# Altium PCB LimePSB-RPCM_1v4.PcbDoc (part 1 of 12) (continued)
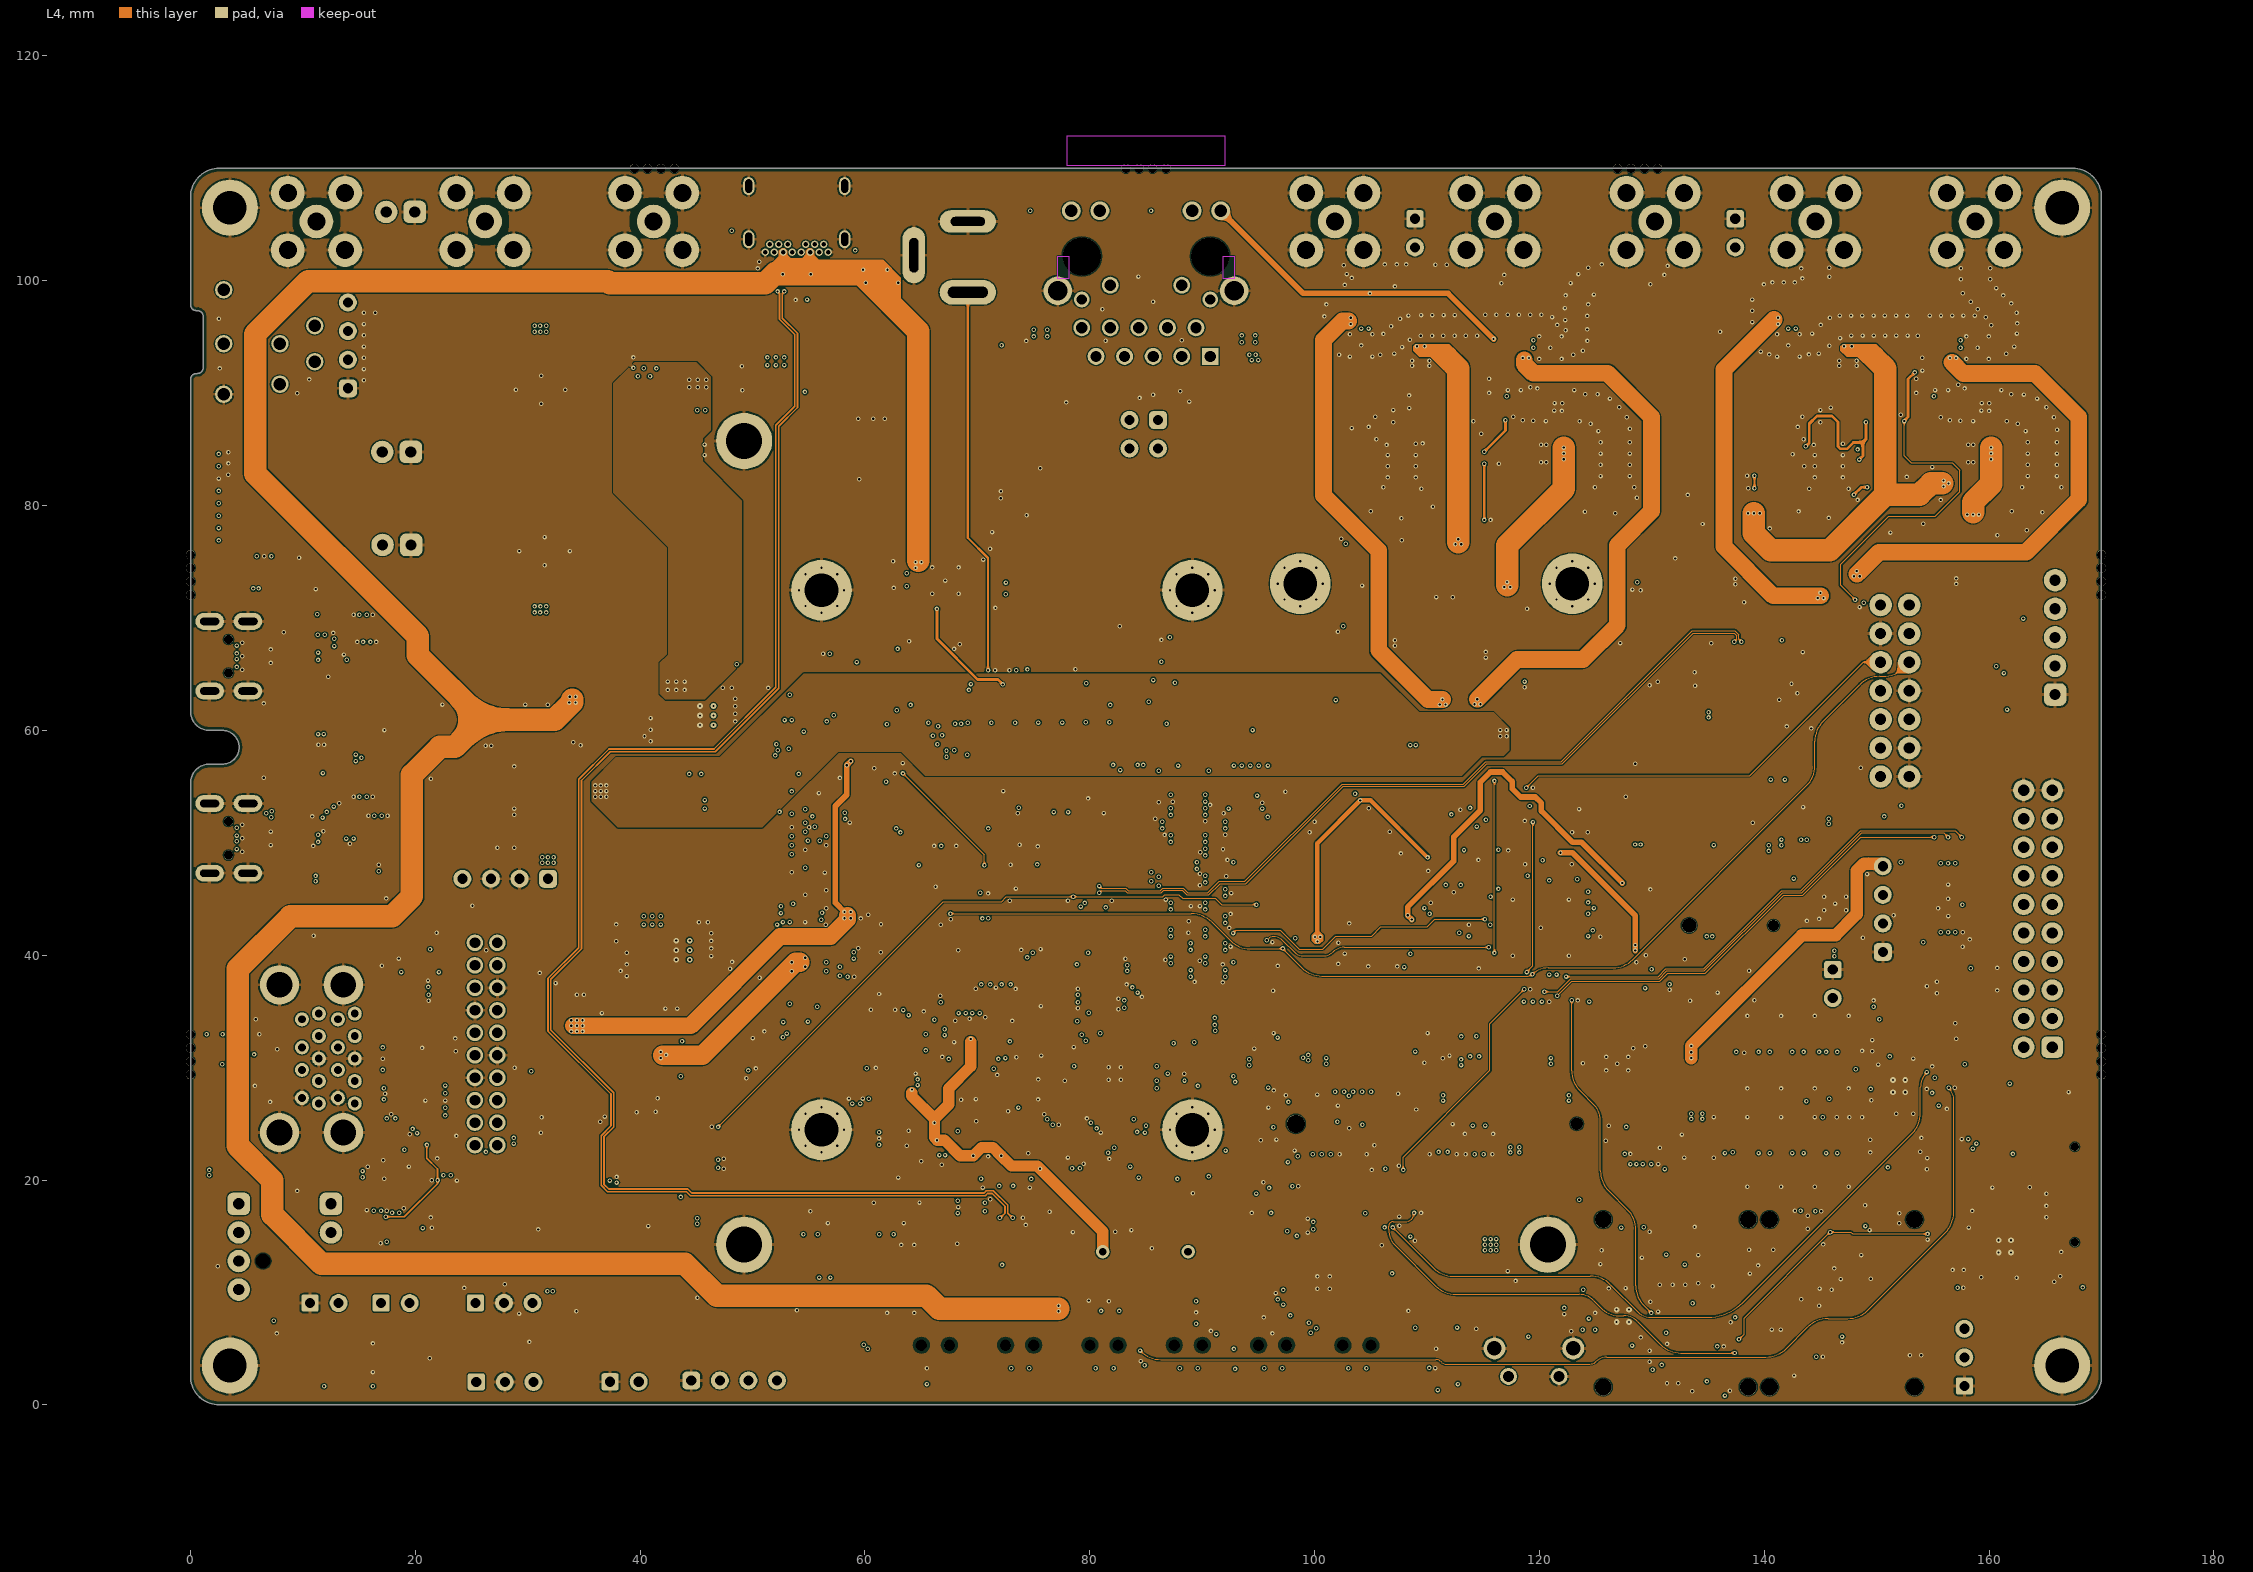
[diagram p4: L4]
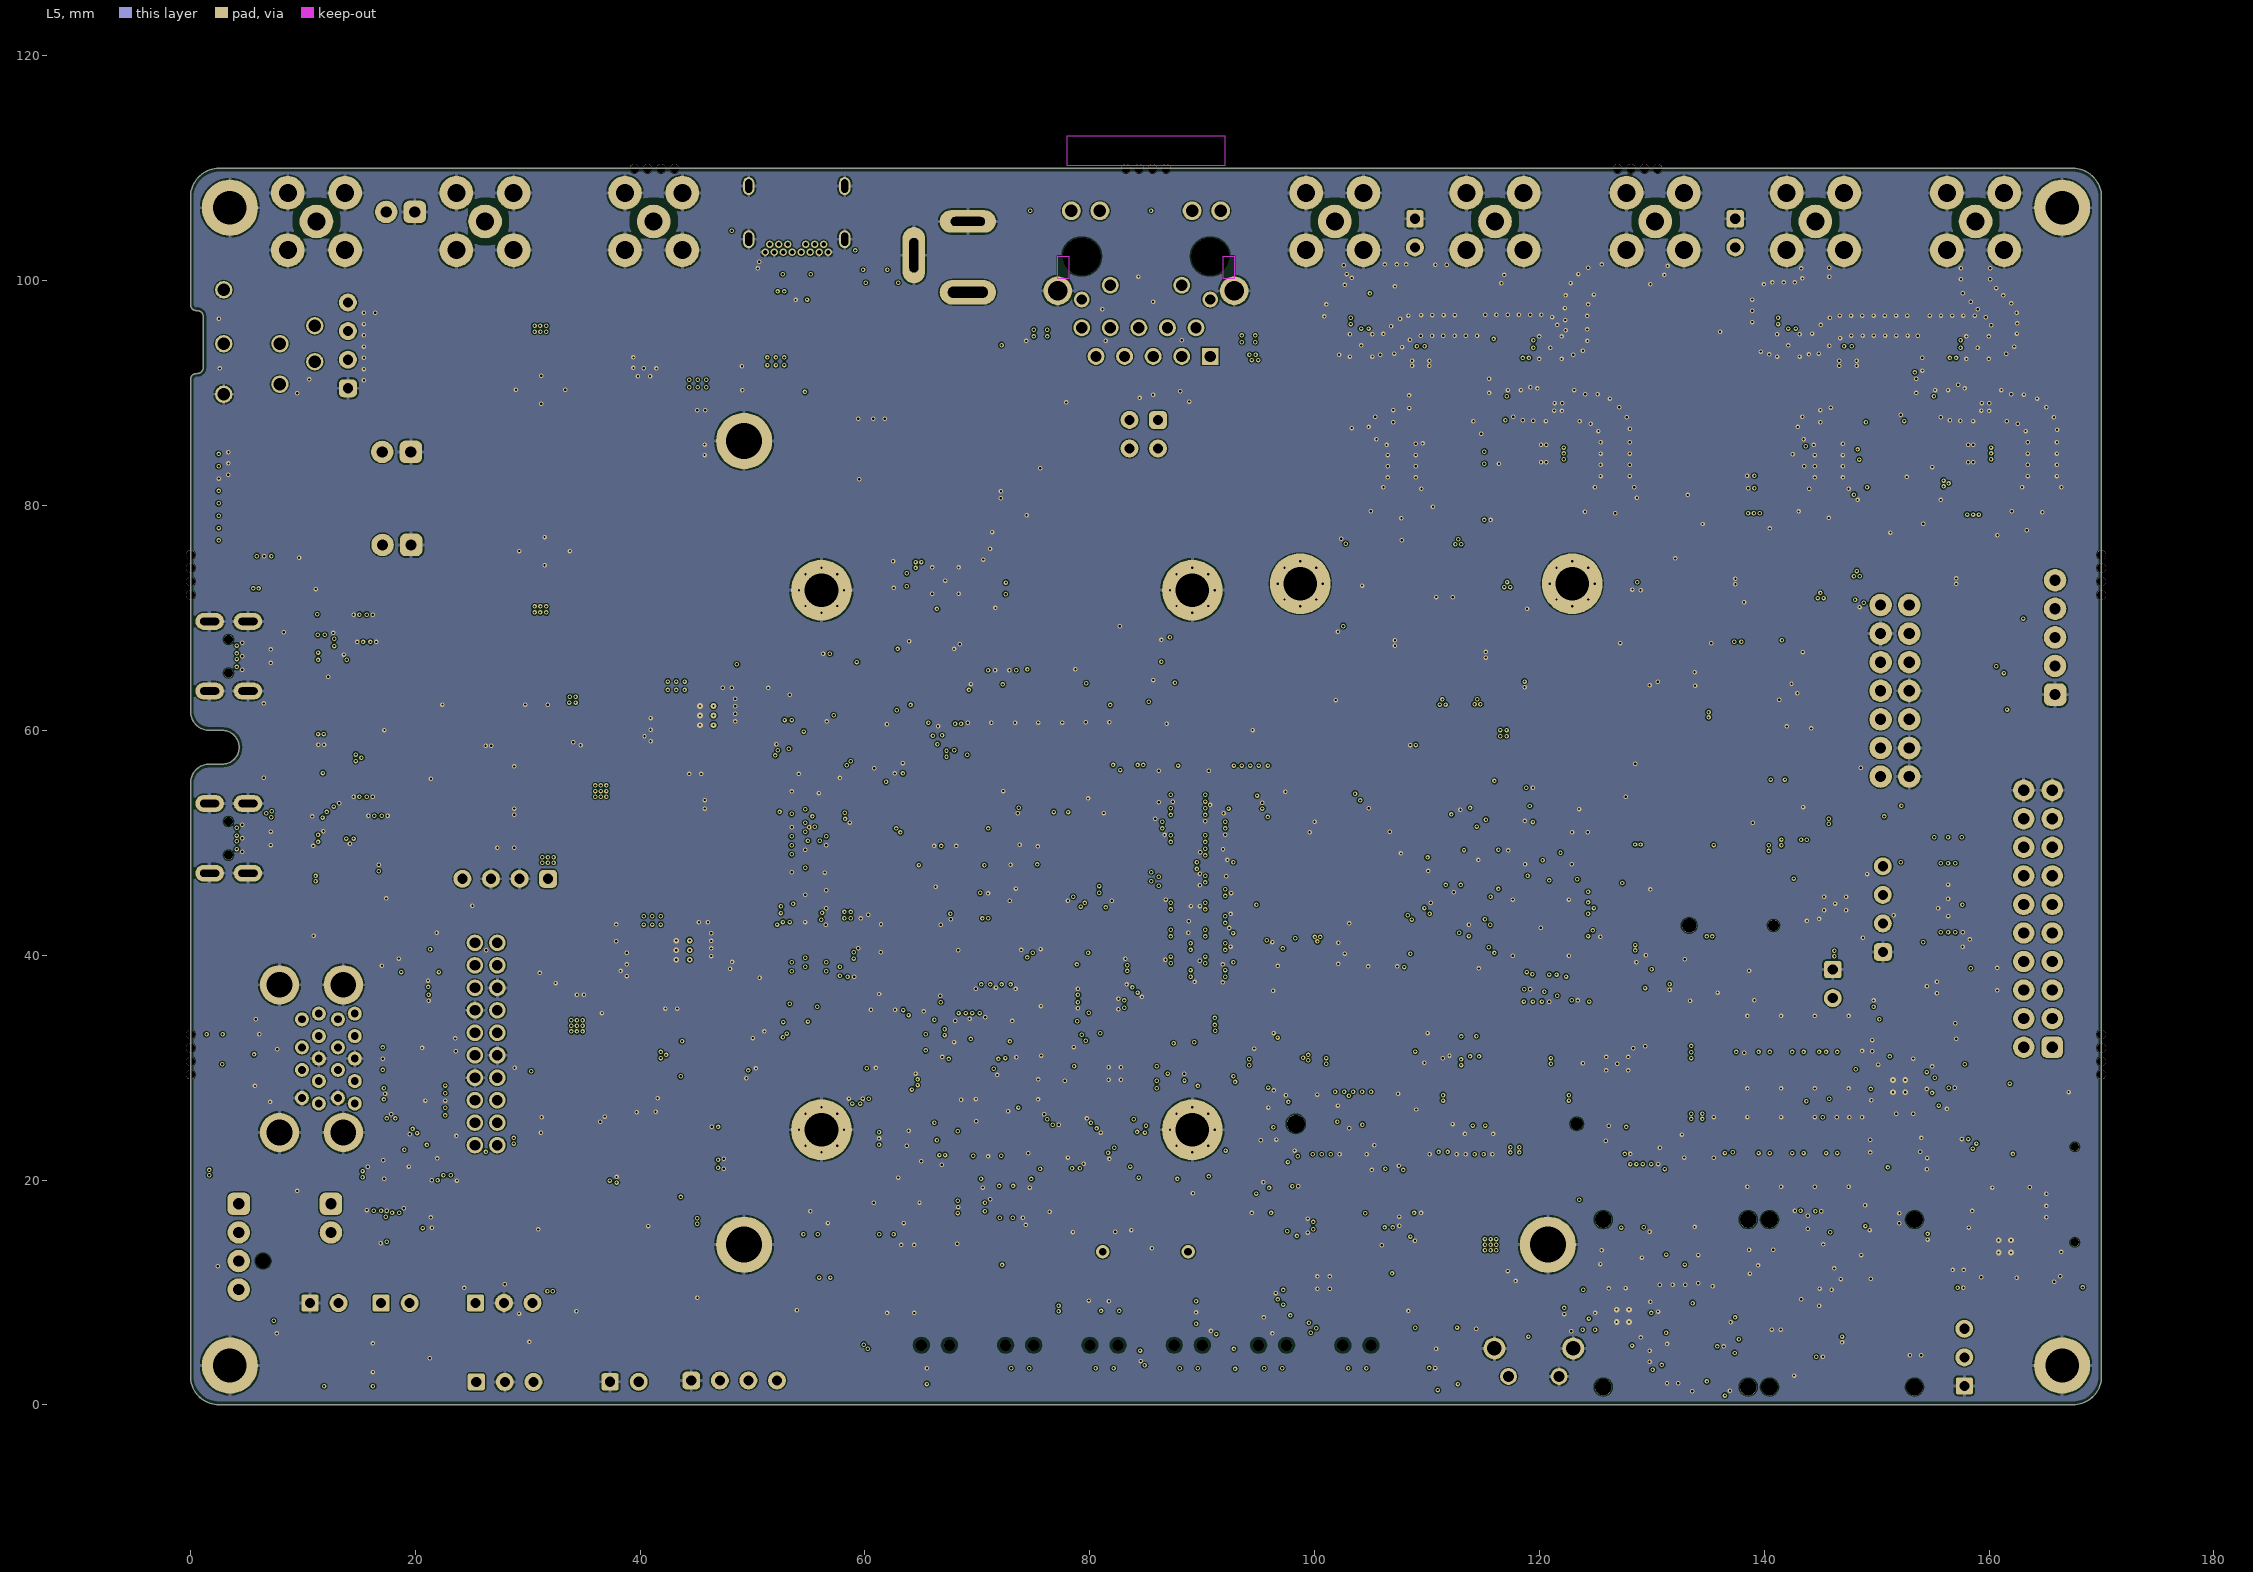
[diagram p5: L5]

## Layer stack, top to bottom
TopSolder: solder mask 0.0102, Solder Resist, Dk 3.5
Top: signal copper 0.0178
Dielectric1: core 0.173, FR-4, Dk 4.8
L2: signal copper 0.0356
Dielectric2: prepreg 0.65, Dk 4.2
L3: signal copper 0.036
Dielectric 4: core 0.2, Dk 4.2
L4: signal copper 0.036
Dielectric 5: prepreg 0.127, Dk 4.2
L5: signal copper 0.036
Dielectric3: core 0.254, FR-4, Dk 4.2
Bottom: signal copper 0.0178
BottomSolder: solder mask 0.0102, Solder Resist, Dk 3.5

## Board outline
0,2.54 0,28.25 0,34.075 0,55.324 cw(c1.674,55.324) 1.674,56.998 2.823,56.998 ccw(c2.823,58.498) 4.323,58.498 ccw(c2.823,58.498) 2.823,59.998 1.674,59.998 cw(c1.674,61.672) 0,61.672 0,70.925 0,76.75 0,91.225 cw(c0.525,91.225) 0.525,91.75 0.6,91.75 ccw(c0.6,92.275) 1.125,92.275 1.125,96.825 ccw(c0.6,96.825) 0.6,97.35 0.525,97.35 cw(c0.525,97.875) 0,97.875 0,107.46 cw(c2.54,107.46) 2.54,110 167.46,110 cw(c167.46,107.46) 170,107.46 170,76.75 170,70.925 170,34.075 170,28.25 170,2.54 cw(c167.46,2.54) 167.46,0 2.54,0 cw(c2.54,2.54)

## Design rules (kind name [scope] priority, off if disabled: settings)
BoardOutlineClearance [All] p1: gap=0.3 ignorepadtopadclearanceinfootprint=FALSE
Clearance Clearance_MINI_PCIe [Keepout vs InComponent('J3') or (isvia)] p1: gap=0 ignorepadtopadclearanceinfootprint=TRUE
Clearance [All] p2: gap=0.1 ignorepadtopadclearanceinfootprint=FALSE
ComponentClearance ComponentClearance_XTRX_standoffs [HasFootprint('MINIPCIE_CONNECTOR_XTRX_v2')] p1: gap=-1 collisioncheckmode=3 verticalgap=0.254 showdistances=FALSE
ComponentClearance ComponentClearance_RF_shield [HasFootprint('RF_SHIELD_COVER_16Px916P9_2118715-2') vs HasFootprint('RF_SHIELD_FRAME_16P5x16P5_2118716-2_v1')] p2: gap=-1 collisioncheckmode=3 verticalgap=2540 showdistances=FALSE
ComponentClearance ComponentClearance_EEPROM1 [InComponent('IC8') vs InComponent('IC9')] p3: gap=-1 collisioncheckmode=3 verticalgap=2540 showdistances=FALSE
ComponentClearance ComponentClearance_AUTHENTICATION [InComponent('IC10') vs InComponent('IC11')] p4: gap=-1 collisioncheckmode=3 verticalgap=2540 showdistances=FALSE
ComponentClearance ComponentClearance_CLK1_jumpers [InComponent('R181') or InComponent('R184') or InComponent('R189') vs InComponent('R181') or InComponent('R184') or InComponent('R189')] p5: gap=-1 collisioncheckmode=3 verticalgap=2540 showdistances=FALSE
ComponentClearance ComponentClearance_GPS_jumpers [InComponent('R62') or InComponent('R69') or InComponent('R70') or InComponent('R248') vs InComponent('R62') or InComponent('R69') or InComponent('R70') or InComponent('R248')] p6: gap=-1 collisioncheckmode=3 verticalgap=2540 showdistances=FALSE
ComponentClearance ComponentClearance_CLK2_jumpers [InComponent('R226') or InComponent('R217') vs InComponent('R226') or InComponent('R217')] p7: gap=-1 collisioncheckmode=3 verticalgap=2540 showdistances=FALSE
ComponentClearance ComponentClearance_IN_EXT_CONNECTOR [InComponent('R52') or InComponent('R55') vs InComponent('R52') or InComponent('R55')] p8: gap=-1 collisioncheckmode=3 verticalgap=2540 showdistances=FALSE
ComponentClearance ComponentClearance_RAPI_nuts [HasFootprint('FP-DF40C-100DS-0.4V(51)') or ((ObjectKind = '3D Body') And (Layer = 'Mechanical13') And (ModelType = 'Generic Model') And (Identifier = '622162x5')) or ((ObjectKind = '3D Body') And (Layer = 'Mechanical13') And (ModelType = 'Generic Model') And (Identifier = 'CM5R5-3dsteps')) or ((ObjectKind = '3D Body') And (Layer = 'Mechanical13') And (ModelType = 'Generic Model') And (Identifier = 'CM5R5-3dsteps')) vs HasFootprint('9774015243R_SMT_M2_STANDOFF_SPACER')] p9: gap=-10 collisioncheckmode=3 verticalgap=2540 showdistances=FALSE
ComponentClearance ComponentClearance_M.2 [HasFootprint('MINIPCIE_CONNECTOR_XTRX_v2') or isfree or (((ObjectKind = '3D Body') And (Layer = 'Mechanical13') And (ModelType = 'Generic Model') And (Identifier = '622162x5')) or ((ObjectKind = '3D Body') And (Layer = 'Mechanical13') And (ModelType = 'Generic Model') And (Identifier = 'CM5R5-3dsteps')) or HasFootprint('9774015243R_SMT_M2_STANDOFF_SPACER') ) vs HasFootprint('9774015243R_SMT_M2_STANDOFF_SPACER')] p10: gap=-10 collisioncheckmode=3 verticalgap=2540 showdistances=FALSE
ComponentClearance ComponentClearance_RAPI_nuts_1 [HasFootprint('FP-DF40C-100DS-0.4V(51)') or ((ObjectKind = '3D Body') And (ModelType = 'Generic Model') And (Identifier = 'CM4')) or ((ObjectKind = '3D Body') And (Layer = 'Mechanical13') And (ModelType = 'Generic Model') And (Identifier = '9774015243')) or HasFootprint('9774015243R_SMT_M2_STANDOFF_SPACER') or ((ObjectKind = '3D Body') And (Layer = 'Mechanical13') And (ModelType = 'Generic Model') And (Identifier = 'CM5R5-3dsteps')) vs ((ObjectKind = '3D Body') And (Layer = 'Mechanical13') And (ModelType = 'Generic Model') And (Identifier = '622162x5')) or ((ObjectKind = '3D Body') And (Layer = 'Mechanical13') And (ModelType = 'Generic Model') And (Identifier = 'CM5R5-3dsteps')) or HasFootprint('9774015243R_SMT_M2_STANDOFF_SPACER')] p11: gap=-10 collisioncheckmode=3 verticalgap=2540 showdistances=FALSE
ComponentClearance ComponentClearance_USB2_header [HasFootprint('Header5x2_TH') vs ((ObjectKind = '3D Body') And (Layer = 'Mechanical13') And (ModelType = 'Generic Model') And (Identifier = 'TSW-105-07-G-D-009'))] p12: gap=-10 collisioncheckmode=3 verticalgap=2540 showdistances=FALSE
ComponentClearance ComponentClearance_Lightpipes [HasFootprint('LIGHT_PIPE_RIGHT_ANGLE_SLP3-200-100-F') vs ((ObjectKind = '3D Body') And (Layer = 'Mechanical13') And (ModelType = 'Generic Model') And (Identifier = 'BIVAR__INC_SLP3-150-100-F'))] p13: gap=-10 collisioncheckmode=3 verticalgap=2540 showdistances=FALSE
ComponentClearance ComponentClearance_switch [HasFootprint('SW_TACTILE_RIGHT_EDGE') vs ((ObjectKind = '3D Body') And (Layer = 'Mechanical13') And (ModelType = 'Generic Model') And (Identifier = 'c-1-1825027-6-g1-3d'))] p14: gap=-10 collisioncheckmode=3 verticalgap=2540 showdistances=FALSE
ComponentClearance ComponentClearance_switch_1 [HasFootprint('Header10x2_TH_2MM') vs ((ObjectKind = '3D Body') And (Layer = 'Mechanical13') And (ModelType = 'Generic Model') And (Identifier = 'g823j201xx0bhr'))] p15: gap=-10 collisioncheckmode=3 verticalgap=2540 showdistances=FALSE
ComponentClearance [All] p16: gap=0.01 collisioncheckmode=3 verticalgap=0.254 showdistances=FALSE
DiffPairsRouting DiffPairsRouting_ETH [InNetClass('ETH')] p1: maxlimit=0.3 minlimit=0.1 mostfreqgap=0.14 toplayer_minwidth=0.1 toplayer_maxwidth=1 toplayer_prefwidth=0.2 midlayer1_minwidth=0.1 midlayer1_maxwidth=1 midlayer1_prefwidth=0.2 midlayer2_minwidth=0.1 midlayer2_maxwidth=1 midlayer2_prefwidth=0.2 midlayer3_minwidth=0.1 midlayer3_maxwidth=1 midlayer3_prefwidth=0.2 midlayer4_minwidth=0.1 midlayer4_maxwidth=1 midlayer4_prefwidth=0.2 bottomlayer_minwidth=0.1 bottomlayer_maxwidth=1 bottomlayer_prefwidth=0.2 maxuncoupledlength=25
DiffPairsRouting [All] p2: maxlimit=0.3 minlimit=0.1 mostfreqgap=0.1 toplayer_minwidth=0.1 toplayer_maxwidth=1 toplayer_prefwidth=0.2 midlayer1_minwidth=0.1 midlayer1_maxwidth=1 midlayer1_prefwidth=0.2 midlayer2_minwidth=0.1 midlayer2_maxwidth=1 midlayer2_prefwidth=0.2 midlayer3_minwidth=0.1 midlayer3_maxwidth=1 midlayer3_prefwidth=0.2 midlayer4_minwidth=0.1 midlayer4_maxwidth=1 midlayer4_prefwidth=0.2 bottomlayer_minwidth=0.1 bottomlayer_maxwidth=1 bottomlayer_prefwidth=0.2 maxuncoupledlength=25
FabricationTestPointUsage TestPointUsage [All] p1: valid=0 allowmultiple=FALSE
FabricationTestpoint Testpoint [All] p1: side=3 testpointundercomponent=TRUE minsize=1.016 maxsize=2.54 preferedsize=1.524 minholesize=0.508 maxholesize=1.016 preferedholesize=0.813 testpointgrid=0.025 allowsidetop=TRUE allowsidebottom=TRUE usegrid=TRUE gridtolerance=0
Height [All] p1: minheight=0 maxheight=40 prefheight=12.7
HoleSize [All] p1: absolutevalues=TRUE maxlimit=10 minlimit=0.2 maxpercent=80.000 minpercent=20.000
HoleToHoleClearance [All] p1: gap=0.15 allowstackedmicrovias=TRUE
MatchedLengths MatchedLengths_HDMI0 [InNetClass('HDMI0')] p1: tolerance=1.6 checknetsindiffpair=FALSE checkdiffpairvsdiffpair=TRUE checkxsignals=TRUE checkothers=TRUE
MatchedLengths MatchedLengths_DSI1 [InNetClass('DSI1')] p2: tolerance=1.6 checknetsindiffpair=FALSE checkdiffpairvsdiffpair=TRUE checkxsignals=TRUE checkothers=TRUE
MatchedLengths MatchedLengths_HDMI1 [InNetClass('HDMI1')] p3: tolerance=1.6 checknetsindiffpair=FALSE checkdiffpairvsdiffpair=TRUE checkxsignals=TRUE checkothers=TRUE
MatchedLengths MatchedLengths_ETH [InNetClass('ETH')] p4: tolerance=1.6 checknetsindiffpair=FALSE checkdiffpairvsdiffpair=TRUE checkxsignals=TRUE checkothers=TRUE
MatchedLengths MatchedLengths_uSD [InNetClass('uSD_CARD')] p5: tolerance=1.6 checknetsindiffpair=FALSE checkdiffpairvsdiffpair=TRUE checkxsignals=TRUE checkothers=TRUE
MinimumSolderMaskSliver [All] p1: minsoldermaskwidth=0.099
PlaneClearance [All] p1: clearance=0
PolygonConnect PolygonConnect_GND_VIA [InNet('GND') and isvia] p1: connectstyle=Direct reliefconductorwidth=0.254 reliefentries=4 polygonreliefangle="90 Angle" airgapwidth=0.254
PolygonConnect PolygonConnect_GND [InNet('GND')] p2: connectstyle=Relief reliefconductorwidth=0.3 reliefentries=4 polygonreliefangle="90 Angle" airgapwidth=0.15
PolygonConnect PolygonConnect_GNDE2 [InNet('GNDE2')] p3: connectstyle=Direct reliefconductorwidth=0.3 reliefentries=4 polygonreliefangle="90 Angle" airgapwidth=0.15
PolygonConnect PolygonConnect_VCC3P3 [InNet('VCC3P3')] p4: connectstyle=Direct reliefconductorwidth=0.254 reliefentries=4 polygonreliefangle="90 Angle" airgapwidth=0.254
PolygonConnect PolygonConnect_VCC3P3_2 [InNet('VCC3P3_2')] p5: connectstyle=Direct reliefconductorwidth=0.254 reliefentries=4 polygonreliefangle="90 Angle" airgapwidth=0.254
PolygonConnect PolygonConnect_VCC5P0 [InNet('VCC5P0')] p6: connectstyle=Direct reliefconductorwidth=0.254 reliefentries=4 polygonreliefangle="90 Angle" airgapwidth=0.254
PolygonConnect PolygonConnect_VCC1P8_INT [InNet('VCC_INT')] p7: connectstyle=Direct reliefconductorwidth=0.254 reliefentries=4 polygonreliefangle="90 Angle" airgapwidth=0.254
PolygonConnect PolygonConnect_VCC1P8 [InNet('VCC1P8')] p8: connectstyle=Direct reliefconductorwidth=0.254 reliefentries=4 polygonreliefangle="90 Angle" airgapwidth=0.254
PolygonConnect [All] p9: connectstyle=Relief reliefconductorwidth=0.254 reliefentries=4 polygonreliefangle="90 Angle" airgapwidth=0.254
RoutingVias [All] p1: holewidth=0.2 width=0.4 viastyle="Through Hole" minholewidth=0.2 minwidth=0.31 maxholewidth=4.5 maxwidth=5
SilkToSilkClearance [All] p1: silktosilkclearance=0.1
SilkToSolderMaskClearance SilkscreenOverComponentPads [IsPad] p1: minsilkscreentomaskgap=0.254 clearancetoexposedcopper=TRUE
SolderMaskExpansion [All] p1: expansion=0.05
Width Width_ClumsyConnection [All] p1: maxlimit=7 minlimit=0.1 preferedwidth=0.2 checkconnectedcopper=TRUE
Width [All] p2: maxlimit=5 minlimit=0.1 preferedwidth=0.2
19 further rules are at their usual default settings.

## Classes and differential pairs
net class HDMI1: HDMI1_CLK_N HDMI1_CLK_P HDMI1_D0_N HDMI1_D0_P HDMI1_D1_N HDMI1_D1_P HDMI1_D2_N HDMI1_D2_P
net class HDMI0: HDMI0_CLK_N HDMI0_CLK_P HDMI0_D0_N HDMI0_D0_P HDMI0_D1_N HDMI0_D1_P HDMI0_D2_N HDMI0_D2_P
component class 12_Clock_2: C164 C165 C166 C167 C168 C169 C170 C171 C172 C173 C174 C175 C176 C177 C178 C179 C180 C181 C182 C183 C184 C185 C186 C187 C188 C189 C190 C191 C192 C193 C194 C195 C196 C197 C198 C199 C200 C201 C202 C203 C204 C205 C206 ESD35 FR9 FR10 FR11 FR12 IC39 IC40 IC41 IC42 IC43 IC44 IC45 IC46 IC47 IC48 IC49 J39 J40 J41 L1 R217 R218 R219 R220 R221 R222 R223 R224 R225 R226 R227 R228 R229 R230 R231 R232 R233 R234 R235 R236 R237 R238 R239 R240 R241 R242 R243 R244 R245 R246 R247 R248 R249 R250 R251 R252 R253 R254 R255 R256 R257 R258 R259 R260 XO6 XO7 XO8 XO9 XO10
net class VCC3P3_LMKRF: VCC3P3_LMKRF VCC3P3_LMKRF_VDDO
net class USB3H_2: USB_HUB_D5_N USB_HUB_D5_P
net class USB3H_1: USB3H_1_D_N USB3H_1_D_P USB3H_1_RX_N USB3H_1_RX_P USB3H_1_TX_N USB3H_1_TX_P
net class VCC3P3_CLK2: VCC3P3_CLK2
net class VCC2P5: VCC2P5
net class VCC1P2: VCC1P2
net class VCC3P3_LMK10: VCC3P3_LMK10
net class VCC3P3_LMK10_VDDO: VCC3P3_LMK10_VDDO
net class GNSS: "GNSS _DDC_SCL" "GNSS _DDC_SDA" GNSS_EXTINT GNSS_RESET GNSS_TPULSE GNSS_UART_RX GNSS_UART_TX GNSS_USB_D_N GNSS_USB_D_P GNSS_USB_VDD NetIC48_8
component class 08_FPGA: C54 C55 C56 C57 C58 C59 C60 C61 C62 C63 C64 C65 C66 C67 C68 C69 D2 F1 F2 F3 F4 F5 F6 F7 F8 FAN1 IC18 IC19 J28 LED7 MECH19 MECH20 MECH21 MECH22 R103 R104 R105 R106 R107 R108 R109 R110 R111 R112 R113 R114 R115 R116 R117 R118 R119 R120 R121 R122 R123 R124 TP3 TP4 TP5 TP6 TP7 TP8 TP9 TP10 TP11 TP12
net class RPI_USB3: RPI_USB3_RX0_N RPI_USB3_RX0_P RPI_USB3_RX1_N RPI_USB3_RX1_P RPI_USB3_TX0_N RPI_USB3_TX0_P RPI_USB3_TX1_N RPI_USB3_TX1_P
net class USB3S_T: USB_HUB_D4_N USB_HUB_D4_P VCC5P0_USBS
net class USB3S_B: USB3S_T_D_N USB3S_T_D_P USB3S_T_RX_N USB3S_T_RX_P USB3S_T_TX_N USB3S_T_TX_P
component class 10_USB_HDMI: C93 C94 C95 C96 C97 C98 C99 C100 C101 C102 C103 C104 C105 C106 C107 C108 C109 C110 ESD7 ESD8 ESD9 ESD10 ESD11 ESD12 ESD13 ESD14 ESD15 ESD16 ESD17 ESD18 ESD19 ESD20 ESD21 ESD22 ESD23 ESD24 ESD25 ESD26 ESD27 ESD28 ESD29 ESD30 ESD31 ESD32 ESD33 ESD34 IC25 IC26 IC27 IC28 IC29 IC30 J33 J34 J35 R161 R162 R163 R164 R165 R166 R167 R168 R169 R170 R171 R172 R173 R174 VD14 VD15 VD16 VD17
net class RPI_GPIO: RPI_GPIO2 RPI_GPIO3 RPI_GPIO4 RPI_GPIO6 RPI_GPIO22 RPI_GPIO27 RPI_ID_SC RPI_ID_SD RPI_SPI0_MISO RPI_SPI0_MOSI RPI_SPI0_SCLK RPI_UART0_RX RPI_UART0_TX
net class RPI_PCIE: PCIE_CLK_N PCIE_CLK_P PCIE_PET0_N PCIE_PET0_P RPI_PCIE_CLK_N RPI_PCIE_CLK_P RPI_PCIE_RX_N RPI_PCIE_RX_P RPI_PCIE_TX_N RPI_PCIE_TX_P
net class ETH: ETH_TRD0_N ETH_TRD0_P ETH_TRD1_N ETH_TRD1_P ETH_TRD2_N ETH_TRD2_P ETH_TRD3_N ETH_TRD3_P
net class DSI1: DSI1_CLK_N DSI1_CLK_P DSI1_D0_N DSI1_D0_P DSI1_D1_N DSI1_D1_P
net class CAM1: CAM1_CLK_N CAM1_CLK_P CAM1_D0_N CAM1_D0_P CAM1_D1_N CAM1_D1_P
net class VCC_INT: VCC_INT
net class RPI_LEDS: RPI_LED1_G RPI_LED1_R RPI_LED2_G RPI_LED2_R RPI_LED3_G RPI_LED3_R RPI_LED4_G RPI_LED4_R RPI_STATUS_LED_G RPI_STATUS_LED_R
component class 15_Power: C265 C266 C267 C268 C269 C270 C271 C272 C273 C274 C275 C276 C277 C278 C279 C280 C281 C282 C283 C284 C285 C286 C287 C288 C289 C290 C291 C292 C293 C294 C295 C296 C297 C298 F9 F10 FR15 FR16 FR17 FR18 FR19 IC64 IC65 IC66 IC67 IC68 IC69 IC70 IC71 J50 J51 J52 J53 J54 L8 L9 L10 Q? R297 R298 R299 R300 R301 R302 R303 R304 R305 R306 R307 R308 R309 R310 R311 R312 R313 R314 R315 R316 R317 R318 R319 R320 R321 R322 TP14 TP15 TP16 TP17 TP18 TP19 TP20 VD18 VD19 VD20 VD21 VD22
component class 09_USB_hub: C70 C71 C72 C73 C74 C75 C76 C77 C78 C79 C80 C81 C82 C83 C84 C85 C86 C87 C88 C89 C90 C91 C92 ESD3 ESD4 ESD5 ESD6 IC20 IC21 IC22 IC23 IC24 J29 J30 J31 J32 R125 R126 R127 R128 R129 R130 R131 R132 R133 R134 R135 R136 R137 R138 R139 R140 R141 R142 R143 R144 R145 R146 R147 R148 R149 R150 R151 R152 R153 R154 R155 R156 R157 R158 R159 R160 VD9 VD10 VD11 VD12 VD13 XT2
component class 13_RFFE: C207 C208 C209 C210 C211 C212 C213 C214 C215 C216 C217 C218 C219 C220 C221 C222 C223 C224 C225 C226 C227 C228 C229 C230 C231 C232 C233 C234 C235 C236 C237 C238 C239 C240 C241 C242 C243 C244 C245 C246 C247 C248 C249 C250 C251 C252 C253 C254 C255 C256 C257 C258 C259 C260 C261 C262 C263 C264 ESD36 ESD37 ESD38 ESD39 FR13 FR14 IC50 IC51 IC52 IC53 IC54 IC55 IC56 IC57 IC58 IC59 IC60 IC61 IC62 IC63 J42 J43 J44 J45 J46 J47 J48 J49 L2 L3 L4 L5 L6 L7 MECH35 MECH36 MECH37 MECH38 MECH39 MECH40 MECH41 MECH42 R261 R262 R263 R264 R265 R266 R267 R268 R269 R270 R271 R272 R273 R274 R275 R276 R277 R278 R279 R280 R281 R282 R283 R284 R285 R286 R287 R288 R289 R290 R291 R292 R293 R294 R295 R296
component class 14_RFPD_PoE_USB_PD: BR1 BR2 C299 C300 C301 C302 C303 C304 C305 C306 C307 C308 C309 C310 C311 C312 C313 C314 C315 C316 C317 C318 C319 C320 C321 C322 C323 C324 C325 C326 C327 C328 C329 C330 C331 C332 C333 C334 C335 D3 FR20 FR21 FR22 FR23 IC72 IC73 IC74 IC75 IC76 J55 L11 L12 L13 LED8 LED9 R323 R324 R325 R326 R327 R328 R329 R330 R331 R332 R333 R334 R335 R336 R337 R338 R339 R340 R341 R342 R343 R344 R345 R346 R347 R348 R349 R350 TP21 TP22 VD23 VT6 VT7
component class 05_RPi_mPCIe: C1 C2 C3 C4 C5 C6 C7 C8 C9 FL1 FL2 FL3 FL4 IC1 J1 J2 J3 J4 J5 J6 JMP1 MECH2 MECH4 MECH6 MECH8 MECH10 MECH12 R1 R2 R3 R4 R5 R6 R7 R8 R9 R10 R11 R12 R13
component class 06_Misc_1: BTN1 BZ1 C10 C11 C12 C13 C14 C15 C16 C17 C18 C19 C20 C21 C22 C23 C24 C25 C26 C27 DSW1 FR1 FR2 IC2 IC3 IC4 IC5 J7 J8 J9 J10 J11 J12 J13 J14 J15 J16 J17 R14 R15 R16 R17 R18 R19 R20 R21 R22 R23 R24 R25 R26 R27 R28 R29 R30 R31 R32 R33 R34 R35 R36 R37 R38 R39 R40 VD1 VD2 VD3 VD4 VD5 VD6 VD7 VD8 VT1
component class 07_Misc_2: BATT1 C28 C29 C30 C31 C32 C33 C34 C35 C36 C37 C38 C39 C40 C41 C42 C43 C44 C45 C46 C47 C48 C49 C50 C51 C52 C53 D1 ESD1 ESD2 FR3 IC6 IC7 IC8 IC9 IC10 IC11 IC12 IC13 IC14 IC15 IC16 IC17 J18 J19 J20 J21 J22 J23 J24 J25 J26 J27 LED1 LED2 LED3 LED4 LED5 LED6 MECH13 MECH14 MECH15 MECH16 MECH17 MECH18 R41 R42 R43 R44 R45 R46 R47 R48 R49 R50 R51 R52 R53 R54 R55 R56 R57 R58 R59 R60 R61 R62 R63 R64 R65 R66 R67 R68 R69 R70 R71 R72 R73 R74 R75 R76 R77 R78 R79 R80 R81 R82 R83 R84 R85 R86 R87 R88 R89 R90 R91 R92 R93 R94 R95 R96 R97 R98 R99 R100 R101 R102 TP1 TP2 VT2 XT1
component class 11_Clock_1: C111 C112 C113 C114 C115 C116 C117 C118 C119 C120 C121 C122 C123 C124 C125 C126 C127 C128 C129 C130 C131 C132 C133 C134 C135 C136 C137 C138 C139 C140 C141 C142 C143 C144 C145 C146 C147 C148 C149 C150 C151 C152 C153 C154 C155 C156 C157 C158 C159 C160 C161 C162 C163 FR4 FR5 FR6 FR7 FR8 IC31 IC32 IC33 IC34 IC35 IC36 IC37 IC38 J36 J37 J38 R175 R176 R177 R178 R179 R180 R181 R182 R183 R184 R185 R186 R187 R188 R189 R190 R191 R192 R193 R194 R195 R196 R197 R198 R199 R200 R201 R202 R203 R204 R205 R206 R207 R208 R209 R210 R211 R212 R213 R214 R215 R216 TP13 XO1 XO2 XO3 XO4 XO5